# Altium PCB 56PCB -0.pcbdoc (part 1 of 2) (continued)
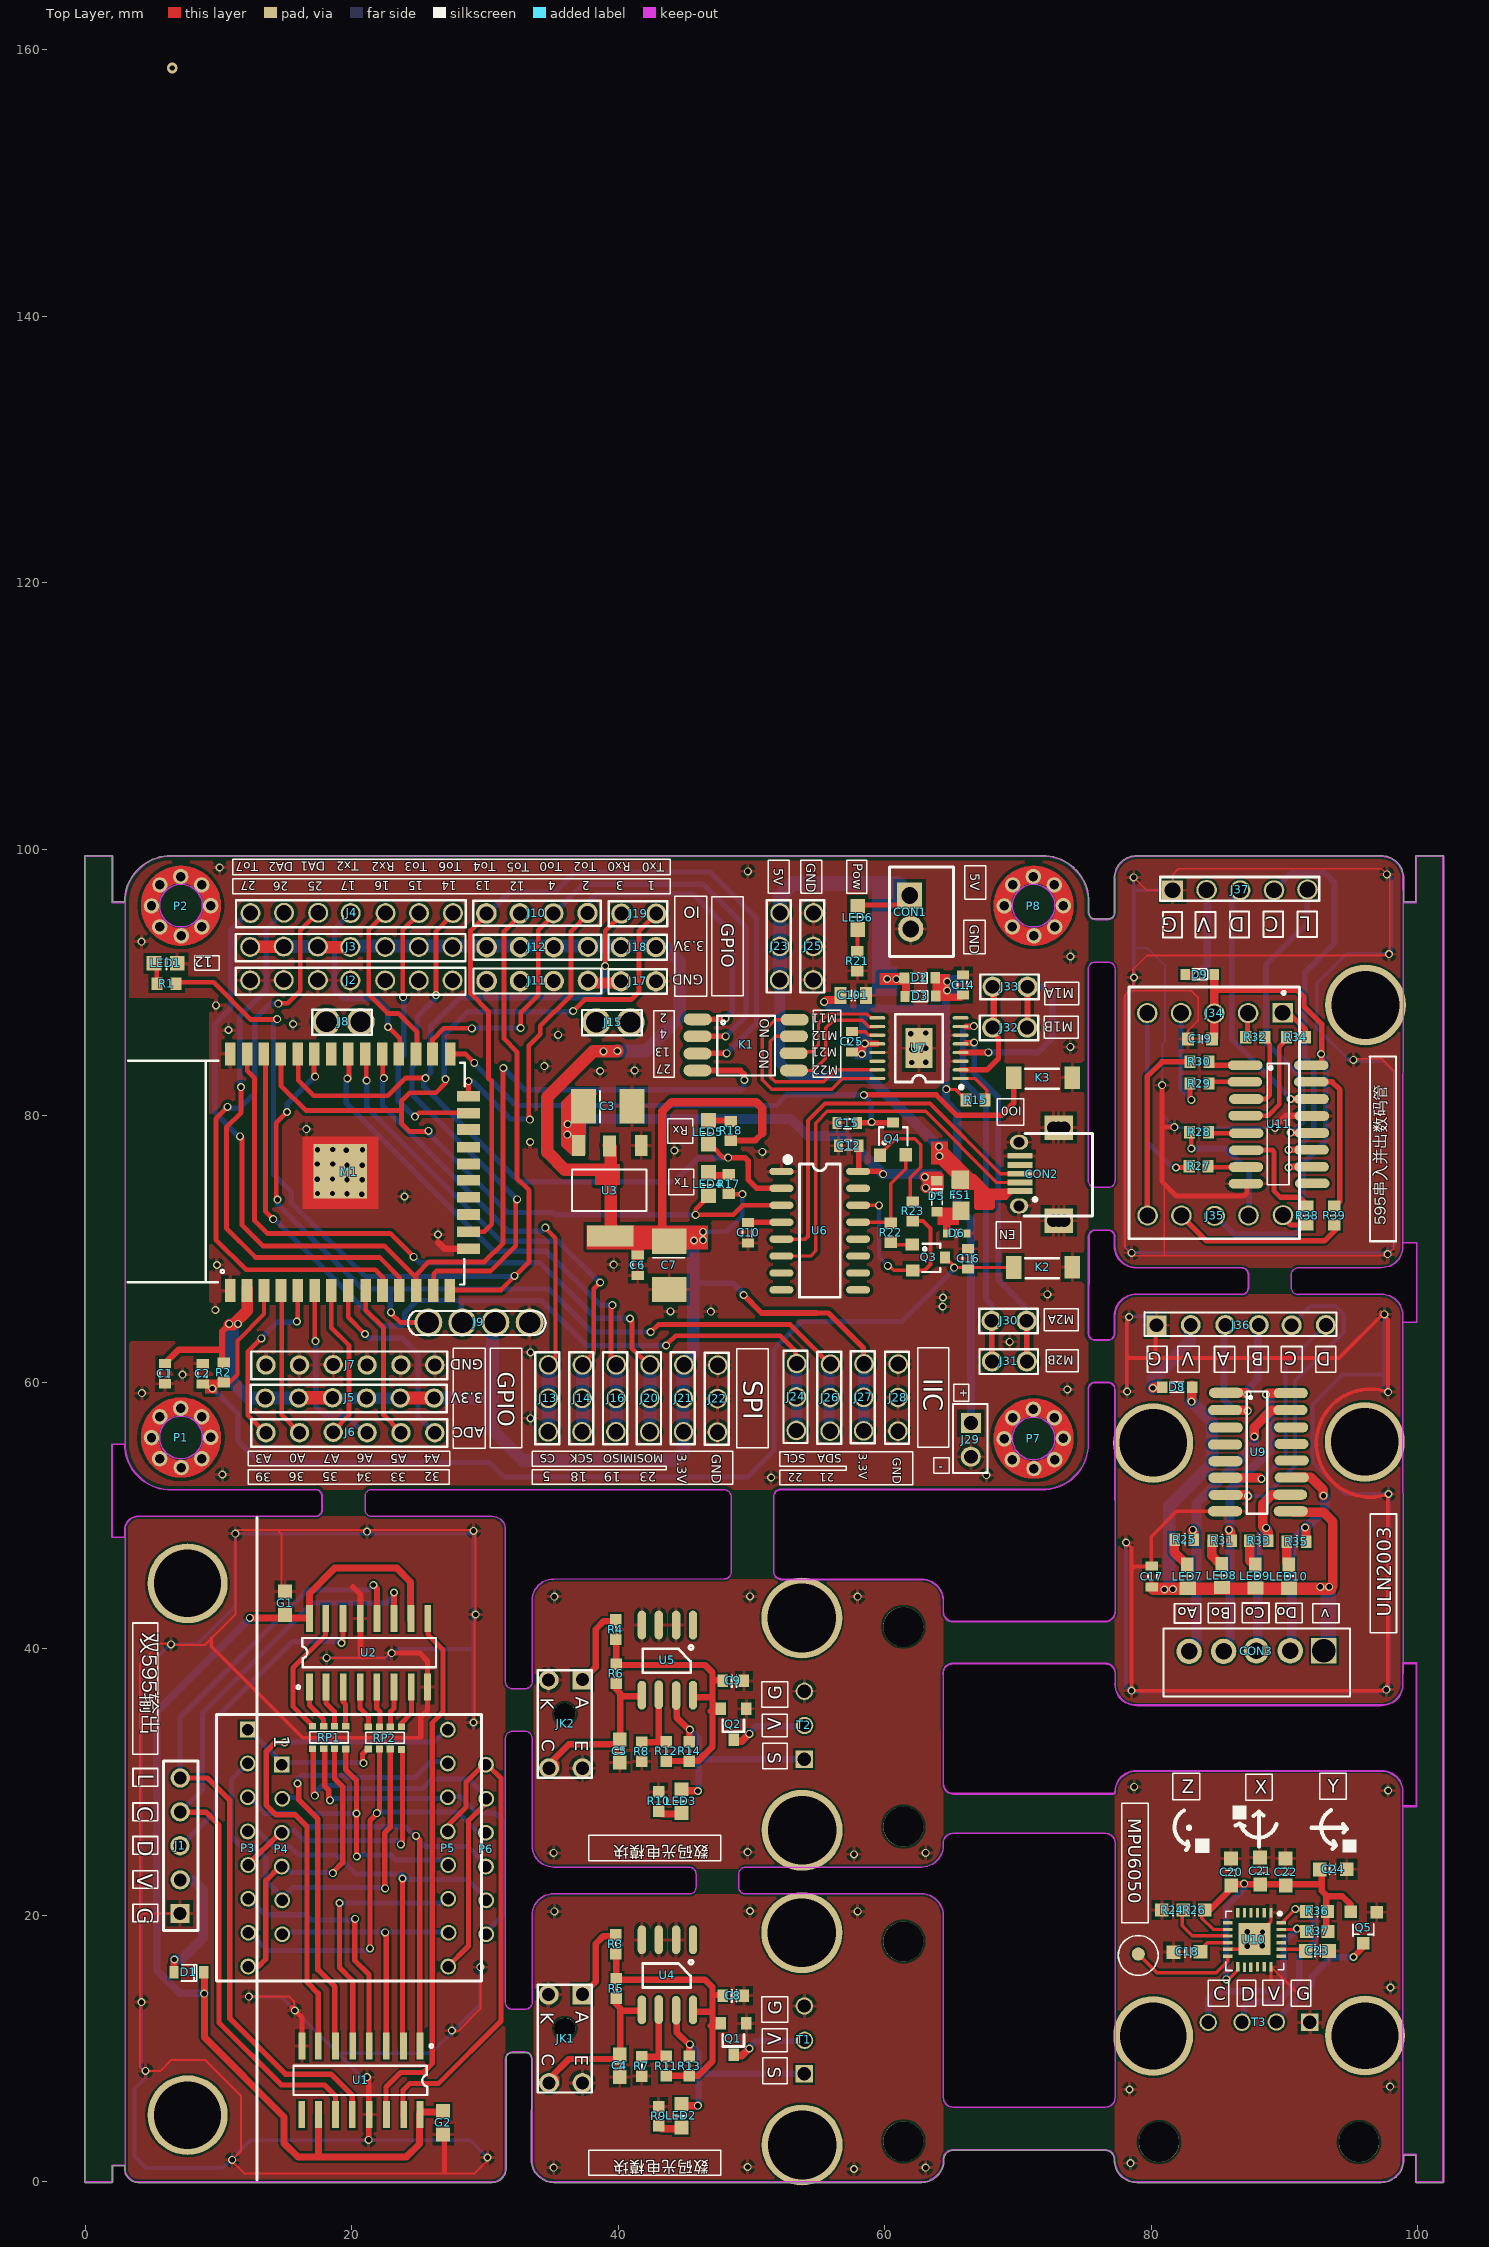
[diagram p0: Top Layer view]
## Footprints (in the part's own frame and the unit in brackets; to place one, negate y for a bottom-side part, rotate by r counter-clockwise, add the part's x,y. Pads: shape width x height; smd on the part's side, far side on the other; paste and mask are expansions set on the pad)
21#1 [mm]
  rect 1.3x1.3 hole 1: 1(0,0)
  round 1.3 hole 1: 2(0.031,2.519) 3(0.01,5.09)
21#2 [mm]
  rect 1.3x1.3 hole 1: 1(0,0)
  round 1.3 hole 1: 2(0.031,2.519) 3(0.01,5.09) 4(0,7.63)
"C 0805_L" [mil] "无极性贴片电容"
  rect 35x50 smd: 1(-37.4,0) 2(37.4,0)
  silkscreen extent -10,-15 10,15, body extent -39,-24 39,24, height 20
COMPONENT_1#1 [mil]
  rect 56.84x56.84 hole 38: 1(-0.5,-200)
  round 56.84 hole 38: 2(0.5,-101) 3(-0.5,0) 4(0.5,100) 5(0.5,200)
  silkscreen extent -50,-250 54,250
COMPONENT_1#2 [mil]
  round 57.11 hole 39: 1(-0.5,-249.5) 2(-0.5,-149.5) 3(-0.5,-49.5) 4(0.5,50.5) 5(-0.5,150.5) 6(-0.5,249.5)
  silkscreen extent -43,-286 40,292
COMPONENT_1#3 [mil]
  rect 59x59 hole 41: 1(-250,-0.5)
  round 59 hole 41: 2(-149,0.5) 3(-47,0.5) 4(52,0.5) 5(149,-0.5) 6(250,0.5)
  silkscreen extent -286,-32 282,38
COMPONENT_1#4 [mil]
  rect 60.84x58.84 hole 47: 1(-199.5,-1)
  oval 60.84x58.84 hole 47: 2(-98.5,0) 3(0.5,-1) 4(100.5,-1) 5(199.5,1)
  silkscreen extent -236,-32 234,38
COMPONENT_1#5 [mil]
  rect 58.84x58.84 hole 39: 1(131,-50)
  round 58.84 hole 39: 2(130,50) 3(-131,49) 4(-131,-50)
  round 63 hole 63: 5(30,2)
  silkscreen extent -159,-77 159,82
COMPONENT_2#1 [mil]
  rect 31x34 smd: 1(-44,0) 2(44,0)
  silkscreen extent -22,-15 18,15
COMPONENT_2#2 [mil]
  round 82.11 hole 63: 1(0,149.5) 2(0,49.5) 3(0,-48.5) 4(0,-149.5)
  silkscreen extent -37,-197 34,210
COMPONENT_2#3 [mil]
  rect 60.84x58.84 hole 47: 1(200,1)
  oval 60.84x58.84 hole 47: 2(98,0) 3(-2,-1) 4(-100,0) 5(-200,0)
COMPONENT_2#4 [mil]
  oval 60.84x58.84 hole 47: 1(200,1) 2(98,0) 3(-2,-1) 4(-100,0) 5(-200,0)
COMPONENT_2#5 [mil]
  rect 41x41 smd: 1(35,0) 2(-35,0)
  silkscreen extent -1,-13 -1,16
COMPONENT_2#6 [mil]
  rect 46.84x46.84 hole 34: 1(-1,350)
  round 46.84 hole 34: 2(-1,250) 3(-1,150) 4(-1,49) 5(0,-50) 6(0,-150) 7(1,-250) 8(0,-350)
COMPONENT_2#7 [mil]
  round 46.84 hole 34: 1(-1,350) 2(-1,250) 3(-1,150) 4(-1,49) 5(0,-50) 6(0,-150) 7(1,-250) 8(0,-350)
COMPONENT_2#8 [mil]
  rect 9.84x27.84 smd: 1(-49,-80.5) 2(-29,-80.5) 3(-9,-80.5) 4(10,-80.5) 5(29,-80.5) 6(49,-80.5) 13(49,79.5) 14(29,80.5) 15(11,80.5) 16(-9,79.5) 17(-29,79.5) 18(-49,79.5)
  rect 27.84x9.84 smd: 7(79,-50.5) 8(79,-30.5) 9(79,-11.5) 10(79,8.5) 11(79,27.5) 12(79,48.5) 19(-79,48.5) 20(-79,27.5) 21(-79,8.5) 22(-79,-11.5) 23(-79,-30.5) 24(-79,-50.5)
  rect 94.49x94.49 smd: 25(0,-2.5)
  silkscreen extent -87,-84 85,91
COMPONENT_3#1 [mil]
  rect 28.84x32.84 smd: 1(-43,0.5) 2(43,-0.5)
  silkscreen extent -21,-14 23,16
COMPONENT_3#2 [mil]
  round 58 hole 45: 1(-99,0.5) 2(0,0.5) 3(99,-0.5)
  silkscreen extent -136,-33 136,39
COMPONENT_3#3 [mil]
  rect 46.84x46.84 hole 34: 1(-0.5,250.5)
  round 46.84 hole 34: 2(0.5,149.5) 3(-0.5,49.5) 4(-0.5,-50.5) 5(0.5,-150.5) 6(0.5,-250.5)
COMPONENT_3#4 [mil]
  round 46.84 hole 34: 1(-0.5,250.5) 2(0.5,149.5) 3(-0.5,49.5) 4(-0.5,-50.5) 5(0.5,-150.5) 6(0.5,-250.5)
COMPONENT_3#5 [mil]
  rect 36.84x36.84 smd: 1(-38.5,-45.5) 2(38.5,-46.5) 3(1.5,46.5)
  silkscreen extent -30,-11 32,25
COMPONENT_3#6 [mil]
  rect 34x34 smd: 1(-28.5,0) 2(28.5,0)
  silkscreen extent -6,-1 6,-1
COMPONENT_3#7 [mil]
  oval 101x30 smd: 1(-95.5,175) 2(-98.5,124) 3(-96.5,72) 4(-98.5,22) 5(-97.5,-27) 6(-97.5,-76) 7(-96.5,-127) 8(-98.5,-175) 9(95.5,-175) 10(93.5,-126) 11(98.5,-75) 12(98.5,-25) 13(97.5,24) 14(96.5,73) 15(94.5,124) 16(95.5,174)
  silkscreen extent -34,-182 26,179
COMPONENT_4#1 [mil]
  rect 41x41 smd: 1(33.5,0) 2(-33.5,0)
  silkscreen extent -6,-13 7,12
COMPONENT_4#2 [mil]
  rect 34.84x38.84 smd: 1(-35.5,0) 2(35.5,0)
  silkscreen extent -4,-14 6,12
COMPONENT_4#3 [mil]
  rect 40.84x40.84 smd: 4(-34.5,0) 5(34.5,0)
  silkscreen extent -9,-18 7,17
COMPONENT_4#4 [mil]
  round 59 hole 45: 1(-0.5,299) 2(0.5,200) 3(0.5,99) 4(-0.5,3) 5(-0.5,-100) 6(-0.5,-199) 7(-0.5,-299)
  silkscreen extent -43,-337 38,342
COMPONENT_4#5 [mil]
  rect 31x37 smd: 1(-28.5,0) 2(28.5,0)
  silkscreen extent 2,-14 2,17
COMPONENT_4#6 [mil]
  rect 19.84x79.84 smd: 1(-175,-101.5) 2(-126,-101.5) 3(-75,-101.5) 4(-25,-101.5) 5(24,-101.5) 6(75,-101.5) 7(126,-101.5) 8(174,-101.5) 9(175,101.5) 10(125,101.5) 11(75,101.5) 12(25,101.5) 13(-25,101.5) 14(-76,101.5) 15(-127,101.5) 16(-175,101.5)
  silkscreen extent -213,-107 199,44
COMPONENT_5#1 [mil]
  rect 37x31 smd: 1(0,31) 2(0,-31)
  silkscreen extent -18,-9 16,5
COMPONENT_5#2 [mil]
  rect 36x27 smd: 1(0,31) 2(0,-31)
  silkscreen extent -12,-6 15,8
COMPONENT_5#3 [mil]
  rect 40.84x40.84 smd: 6(-0.5,40) 7(0.5,-40)
  silkscreen extent -15,-11 14,6
COMPONENT_5#4 [mil]
  rect 41.84x41.84 smd: 1(0,34.5) 2(0,-34.5)
COMPONENT_5#5 [mil]
  round 83 hole 61: 1(0,50.5) 2(0,-50.5)
  silkscreen extent -38,-84 36,92
COMPONENT_5#6 [mil]
  rect 32.84x36.84 smd: 3(-28,0) 4(28,0)
  silkscreen extent -1,-13 -1,13
COMPONENT_6#1 [mil]
  rect 26.84x36.84 smd: 1(-44,0.5) 2(44,-0.5)
  silkscreen extent -22,-26 23,22
COMPONENT_6#2 [mil]
  round 61 hole 41: 1(-0.25,149.25) 2(-0.25,50.25)
  round 60 hole 41: 3(-0.25,-48.75) 4(0.75,-149.75)
  silkscreen extent -37,-189 37,188
COMPONENT_6#3 [mil]
  rect 37x43 smd: 1(-1,33.5)
  rect 48x39 smd: 2(0,-35.5)
  silkscreen extent -15,0 13,0
COMPONENT_6#4 [mil]
  rect 37x31 smd: 1(46,-38) 2(46,38) 3(-46,-1)
  silkscreen extent -22,-31 13,32
COMPONENT_6#5 [mil]
  rect 38.84x38.84 smd: 8(-31.5,0) 9(31.5,0)
  silkscreen extent -2,-14 -1,16
COMPONENT_6#6 [mil]
  oval 101.84x28.84 smd: 1(-98.5,175) 2(-99.5,126) 3(-95.5,75) 4(-97.5,26) 5(-95.5,-26) 6(-95.5,-76) 7(-96.5,-126) 8(-96.5,-175) 9(99.5,-174) 10(97.5,-125) 11(97.5,-75) 12(98.5,-25) 13(98.5,25) 14(97.5,75) 15(96.5,126) 16(96.5,175)
  silkscreen extent -34,-178 30,180
COMPONENT_7#1 [mil]
  rect 75x75 hole 70: 1(199,1)
  round 75 hole 49: 2(100,1) 3(0,1) 4(-97,-1) 5(-199,-1)
  silkscreen extent -275,-134 277,66
COMPONENT_7#2 [mil]
  round 60 hole 41: 1(0,51.5) 2(0,-51.5)
  silkscreen extent -37,-84 36,88
COMPONENT_7#3 [mil]
  rect 21.84x19.84 smd: 1(-49,33.5) 2(-49,-32.5) 3(-16,33.5) 4(-16,-32.5) 5(16,33.5) 6(16,-32.5) 7(49,33.5) 8(49,-33.5)
  silkscreen extent -57,-16 57,18
COMPONENT_7#4 [mil]
  oval 85x25 smd: 1(104,-75.5) 2(104,-25.5) 3(104,25.5) 4(104,75.5) 5(-103,75.5) 6(-102,25.5) 7(-104,-25.5) 8(-103,-75.5)
  silkscreen extent -37,-76 44,72
COMPONENT_8 [mil]
  rect 59x59 hole 41: 1(49.5,0)
  round 59 hole 41: 2(-49.5,0)
  silkscreen extent -98,-49 106,52
COMPONENT_9 [mil]
  rect 68x31.5 smd: 1(-349,361.13) 2(-349,311.13) 3(-349,261.13) 4(-349,211.13) 5(-349,161.13) 6(-349,111.13) 7(-349,62.13) 8(-349,12.13) 9(-349,-39.87) 10(-349,-88.87) 11(-349,-138.87) 12(-349,-188.87) 13(-349,-238.87) 14(-349,-287.87) 25(349,-288.87) 26(349,-236.87) 27(349,-187.87) 28(349,-136.87) 29(349,-87.87) 30(349,-37.87) 31(349,12.13) 32(349,62.13) 33(349,113.13) 34(349,161.13) 35(349,212.13) 36(349,262.13) 37(349,310.13) 38(349,361.13)
  rect 31.5x68 smd: 15(-226,-342.87) 16(-176,-342.87) 17(-125,-342.87) 18(-74,-342.87) 19(-24,-342.87) 20(24,-342.87) 21(74,-342.87) 22(126,-342.87) 23(174,-342.87) 24(224,-342.87)
  rect 161x159 smd: 39(3,36.13)
  silkscreen extent -332,-332 329,664
COMPONENT_10 [mil]
  rect 37x33 smd: 1(0,28) 2(0,-28)
COMPONENT_11 [mil]
  rect 43x44 smd: 1(0,34.5) 2(0,-34.5)
  silkscreen extent -18,-3 16,-3
COMPONENT_13 [mil]
  rect 27x36 smd: 1(30,0) 2(-30,0)
  silkscreen extent -11,-12 10,16
COMPONENT_14 [mil]
  rect 62x38 smd: 1(133.75,-92.5) 2(131.75,1.5) 3(133.75,92.5)
  rect 63x138 smd: 4(-133.25,-0.5)
  silkscreen extent -59,-108 63,112
COMPONENT_17 [mil]
  rect 74.84x101 smd: 1(71.25,0)
  rect 73.84x101 smd: 2(-71.75,0)
  silkscreen extent 22,-45 22,48
COMPONENT_18 [mil]
  oval 34.84x83 smd: 1(75.5,142.5) 2(25.5,143.5) 3(-25.5,143.5) 4(-75.5,143.5) 5(-75.5,-141.5) 6(-24.5,-140.5) 7(25.5,-141.5) 8(74.5,-143.5)
  silkscreen extent -91,-86 87,86
COMPONENT_19 [mil]
  rect 66.84x46 smd: 1(-0.5,86.5) 2(0.5,-86.5)
  silkscreen extent -32,-48 27,52
COMPONENT_20 [mil]
  rect 35.84x40 smd: 1(38,46) 2(-38,45)
  rect 35.84x30 smd: 3(0,-51)
  silkscreen extent -43,-37 41,17
COMPONENT_21 [mil]
  rect 27.84x33 smd: 1(-45.5,-0.5) 2(45.5,0.5)
  silkscreen extent -26,-16 22,16
COMPONENT_22 [mil]
  rect 23.84x24 smd: 1(-29,0) 2(29,0)
  silkscreen extent -9,-9 10,11
COMPONENT_23 [mil]
  rect 54.84x51 smd: 3(46,1) 4(-46,-1)
  silkscreen extent -8,-19 5,21
COMPONENT_24 [mil]
  rect 77.84x74 hole 50: 1(49,1.5)
  oval 77.84x74 hole 50: 2(-49,-1.5)
  silkscreen extent -131,-128 134,62
COMPONENT_25 [mil]
  rect 16.84x74 smd: 1(-49.5,60.25) 2(-24.5,60.25) 3(1.5,60.25) 4(27.5,60.25) 5(54.5,60.25)
  oval 43.84x54 hole 32: 6(-93.5,62.25) 7(94.5,62.25)
  rect 72.84x53 hole 36: 8(137.5,-38.75) 9(137.5,-70.75) 10(137.5,-53.75) 11(-137.5,-38.75) 12(-137.5,-70.75) 13(-137.5,-54.75)
  silkscreen extent -124,-155 121,47
COMPONENT_26 [mil]
  round 45.84 hole 28: 1(-61.5,63.5) 2(0.5,87.5) 3(62.5,62.5) 4(87.5,1.5) 5(62.5,-60.5) 6(1.5,-87.5) 7(-61.5,-61.5) 8(-87.5,-0.5)
  Top Layer circle w51.94: c1.08,0.5 r92.42
  Bottom Layer circle w51.94: c1.08,0.5 r92.42
  Keep-Out Layer circle w3.94: c1.37,0.5 r63.13
SOP16_N [mm] "10.3*6.2*1.8mm（长宽高）"
  oval 1.8x0.55 smd: 1(-2.877,4.445) 2(-2.877,3.175) 3(-2.877,1.905) 4(-2.877,0.635) 5(-2.877,-0.635) 6(-2.877,-1.905) 7(-2.877,-3.175) 8(-2.877,-4.445) 9(2.877,-4.445) 10(2.877,-3.175) 11(2.877,-1.905) 12(2.877,-0.635) 13(2.877,0.635) 14(2.877,1.905) 15(2.877,3.175) 16(2.877,4.445)
  silkscreen extent -2.57,-5 1.52,5.49, body extent -3,-5 3,5, height 1.9
TSSOP16_L [mm] "5*6.4*1mm（长宽高）"
  rect 2x3 smd: 0(0,0)
  rect 1.2x0.25 smd: 1(-3.125,2.275)
  oval 1.2x0.25 smd: 2(-3.125,1.625) 3(-3.125,0.975) 4(-3.125,0.325) 5(-3.125,-0.325) 6(-3.125,-0.975) 7(-3.125,-1.625) 8(-3.125,-2.275) 9(3.125,-2.275) 10(3.125,-1.625) 11(3.125,-0.975) 12(3.125,-0.325) 13(3.125,0.325) 14(3.125,0.975) 15(3.125,1.625) 16(3.125,2.275)
  silkscreen extent -3.3,-2.54 1.78,3.05, body extent -3.2,-2.5 3.2,2.5, height 1.03

## Free pads (board coordinates)
  round 6.071 hole 5.156: 1(53.768,18.694) 1(53.768,42.31) 2(53.793,2.769) 2(53.793,26.384)
  round 6.067 hole 5.105: 1(96.072,88.309)
  round 5.994 hole 5.055: 6(80.133,55.448) 7(96.008,55.524)
  oval 6.016x5.965 hole 5.055: 9(7.674,44.907) 10(7.674,5.004)
  round 0.987 smd: 10(79.016,17.094)
  round 5.99 hole 5.004: 11(96.034,10.973) 12(80.133,10.947)
  round 3 hole 3 mask+0.102: 13(61.385,3.035) 13(61.385,26.651) 13(95.575,2.975) 14(61.385,18.035) 14(61.385,41.651) 14(80.575,2.975)

## Via types
v1: diameter 0.6, hole 0.4, Top Layer to Bottom Layer, tented both sides, 257 vias
v2: diameter 0.8, hole 0.4, Top Layer to Bottom Layer, 1 vias

## Nets (pads, with @x,y where several pads share a name; then routed paths per layer and width w, separated by ;. In a path a pad name is that pad's centre, name@x,y a point inside that pad or via, vN(x,y) a via of type N, cw(c..) or ccw(c..) an arc to the next point about the centre after c; other vN are vias at no path point)
3.3V: C1.1 C6.1 C7.1 J3.1 J3.2 J3.3 J3.4 J3.5 J3.6 J3.7 J5.1 J5.2 J5.3 J5.4 J5.5 J5.6 J9.3 J12.1 J12.2 J12.3 J12.4 J18.1 J18.2 J21.1 J21.2 J21.3 J27.1 J27.2 J27.3 M1.2 R2.2 R17.1 R18.1 U3.2 U3.4 | length 193
  Top Layer w0.345: R17.1@48.332,74.117 v1(49.301,74.117)
  Top Layer w0.405: 54.864,65.195 55.762,65.195 58.397,62.56 58.397,61.36 J27.3@58.448,61.309
  Top Layer w0.43: v1(49.406,66.541) 50.752,65.195 54.864,65.195
  Top Layer w0.456: R18.1@48.441,78.149 R18.1@48.593,78.149 ; R18.1@48.593,78.073 R18.1@48.593,78.149 ; 50.8,78.667 50.282,78.149 R18.1@48.593,78.149
  Top Layer w0.481: C1.1@5.972,61.411 7.013,62.452 10.214,62.452 ; R2.2@10.29,61.512 10.29,63.824 v1@10.798,64.332
  Top Layer w0.633: C7.1@43.818,70.586 43.307,71.097 43.307,80.34 43.993,81.026 50.352,81.026 50.8,80.578 50.8,78.667
  Top Layer w0.71: v1@46.256,71.317 v1@46.307,71.317 ; v1(46.358,71.291) v1@46.384,71.317 ; R17.1@48.288,74.161 R17.1@48.332,74.117
  Top Layer w0.862: v1@10.798,64.332 11.103,64.332 12.144,65.373 M1.2@12.144,67.024
  Top Layer w0.938: J3.1@12.347,92.678 J3.2@15.09,92.678 ; J3.3@17.605,92.653 J3.4@19.993,92.653 ; v1(38.887,84.836) 38.11,84.836 34.674,81.4 34.674,77.26 35.995,75.939 39.424,75.939 ; v1(38.887,84.836) 39.903,84.836 v1(39.929,84.861) ; U3.2@39.271,77.768 39.424,77.616 39.424,75.939 ; U3.4@39.424,71.164 39.424,75.939 ; 39.5,75.939 39.424,75.939
  Top Layer w0.989: J5.5@16.043,58.832 J5.4@18.557,58.832 ; J5.2@23.637,58.807 J5.1@26.177,58.807
  Bottom Layer w0.345: v1(46.358,71.291) 48.126,71.291 49.301,72.466 v1(49.301,74.117)
  Bottom Layer w0.43: 45.85,67.43 48.618,67.43 49.406,66.643 v1(49.406,66.541) v1@49.406,66.465
  Bottom Layer w0.837: J27.1@58.41,56.356 J27.2@58.41,58.871 J27.3@58.41,61.525
  Bottom Layer w0.862: J5.4@18.583,58.807 J5.3@21.097,58.807 J5.2@23.637,58.807
  Bottom Layer w0.964: v1@11.179,64.332 10.925,64.332 11.052,64.205 11.052,60.014 12.246,58.82 J5.5@16.132,58.82 ; J3.2@14.786,92.703 J3.3@17.453,92.703 ; J3.4@19.993,92.729 43.462,92.729 44.58,91.611 44.58,87.379 42.062,84.861 v1(39.929,84.861) 39.903,84.836 v1(38.887,84.836) ; J5.1@26.177,58.807 30.521,58.807 ; J9.3@30.775,64.484 30.559,64.268 30.559,56.407 32.845,54.121 44.326,54.121 44.859,54.654 44.859,61.385 45.621,62.147 45.621,70.478 v1@46.282,71.139
  other v1: 10.798,64.382 11.458,64.382 45.672,70.631 46.358,70.656
+5v: C3.1 C12.1 D5.2 U3.3 U6.16 | length 43.5
  Top Layer w0.202: U3.3@37.087,77.26 36.35,77.26 35.791,77.819 35.791,80.969 36.604,81.781 38.154,81.781 C3.1@38.281,81.654
  Top Layer w0.405: C12.1@58.039,77.749 58.039,75.863 U6.16@57.995,75.819 59.612,75.819 59.815,75.616 v1(59.868,75.616)
  Top Layer w0.786: v1(62.995,75.406) 64.036,75.406 64.036,74.593 v1(63.071,74.593) ; 63.198,74.974 63.681,74.974 D5.2@63.757,74.898
  Bottom Layer w0.76: 36.909,79.749 52.962,79.749 54.232,78.479 57.004,78.479 v1(59.868,75.616) 62.785,75.616 v1(62.995,75.406) ; v1@62.995,75.635 63.706,75.635
  other v1: 36.172,78.581 36.198,79.368
AOUT1: J32.1 J33.1 U7.2 | length 8.9
  Top Layer w0.405: U7.2@65.685,83.44 67.666,83.44 68.529,84.303 68.529,85.837 68.062,86.305 J32.1@68.062,86.607
  Top Layer w0.481: J32.1@68.075,86.531 68.176,86.633 68.176,89.592 J33.1@68.087,89.681
AOUT2: J32.2 J33.2 U7.4 | length 15.9
  Top Layer w0.43: U7.4@65.685,84.74 65.695,84.75 67.757,84.75 v1(67.767,84.76) ; J32.2@70.678,86.798 70.704,86.823 J33.2@70.704,89.681
  Bottom Layer w0.481: v1(67.767,84.76) 71.501,84.76 72.568,85.827 72.568,89.329 72.216,89.681 J33.2@70.704,89.681 ; J33.2@70.615,89.554 J33.2@70.615,89.681
BOUT1: J30.1 J31.1 U7.7 | length 30.4
  Top Layer w0.43: U7.7@66.07,86.703 66.662,86.703 v1(66.675,86.716) ; J30.1@68.011,64.611 68.024,64.598 68.024,61.576 J31.1@68.037,61.563
  Bottom Layer w0.43: v1(66.675,86.716) 66.643,86.683 66.082,86.683 65.862,86.464 65.862,82.626 67.589,80.899 67.589,66.243 68.011,65.821 J30.1@68.011,64.611 68.024,64.598 68.024,61.576 J31.1@68.037,61.563
BOUT2: J30.2 J31.2 U7.5 | length 29.3
  Top Layer w0.43: U7.5@66.07,85.464 66.668,85.464 v1(66.7,85.496) ; J30.2@70.627,64.611 70.64,64.598 70.64,61.576 J31.2@70.653,61.563
  Bottom Layer w0.43: v1(66.7,85.496) 66.7,83.185 68.504,81.382 68.504,67.691 70.541,65.654 70.541,64.698 70.64,64.598 70.64,61.576 J31.2@70.653,61.563
D+: CON2.3 U6.5 | length 29.4
  Top Layer w0.278: U6.5@52.241,70.739 54.026,70.739 54.229,70.942 54.229,79.632 55.514,80.917 63.38,80.917 68.65,75.647 CON2.3@70.126,75.647
D-: CON2.2 U6.6 | length 30.2
  Top Layer w0.254: U6.6@52.241,69.469 54.432,69.469 54.813,69.85 54.813,79.451 55.69,80.328 63.055,80.328 68.396,74.987 CON2.2@70.126,74.987
DTR: Q4.2 R22.2 U6.13 | length 8
  Top Layer w0.252: U6.13@57.995,72.009 R22.2@60.376,72.009 ; R22.2@60.452,71.933 60.452,74.905 61.57,76.022 Q4.2@61.57,77.064
GND: C1.2 C2.1 C3.2 C6.2 C7.2 C10.2 C12.2 C14.1 C15.1 C16.1 C101.1 CON1.2 CON2.5 CON2.6 CON2.7 CON2.8 CON2.9 CON2.10 CON2.11 CON2.12 CON2.13 D6.2 J2.1 J2.2 J2.3 J2.4 J2.5 J2.6 J2.7 J7.1 J7.2 J7.3 J7.4 J7.5 J7.6 J9.4 J11.1 J11.2 J11.3 J11.4 J17.1 J17.2 J22.1 J22.2 J22.3 J25.1 J25.2 J25.3 J28.1 J28.2 J28.3 J29.2 K2.2 K3.2 LED1.2 M1.1 M1.15 M1.38 M1.39 R21.1 U3.1 U6.1 U7.0 U7.3 U7.6 U7.13 | length 5.1
  Top Layer w0.481: 26.47,70.504 26.952,70.021 M1.15@28.883,70.021
  Top Layer w0.837: J11.4@37.773,89.96 J17.1@40.211,89.96
  other v1: 51.463,52.851 67.618,53.029 10.29,53.079 33.404,57.296 4.245,59.175 73.688,59.455 7.293,60.572 33.404,62.249 69.37,63.036 46.942,65.297 43.919,65.322 9.756,65.424 64.341,65.678 64.366,66.364 72.19,66.592 9.883,68.802 39.652,68.827 26.47,71.088 23.955,73.933 20.755,74.111 19.637,74.136 17.427,74.161 18.545,74.161 19.637,75.203 20.78,75.203 17.402,75.228 18.545,75.254 19.637,76.295 20.78,76.295 17.402,76.371 18.57,76.371 50.8,77.292 44.199,77.387 19.586,77.413 17.427,77.438 20.805,77.438 18.57,77.463 33.378,78.022 16.589,78.987 38.636,83.356 41.224,83.388 34.445,83.712 62.027,83.998 63.068,84.023 62.001,84.988 63.068,85.065 73.914,85.166 35.487,86.074 61.951,86.157 63.068,86.208 10.747,86.43 15.598,86.887 9.807,88.284 73.917,91.941 4.219,93.059 49.711,98.342 10.087,98.622
M11: K1.8 U7.16 | length 15.6
  Top Layer w0.254: K1.8@53.229,87.204 51.771,87.204 50.8,86.233 50.8,82.702 51.511,81.991 56.007,81.991 56.805,82.79 U7.16@59.435,82.79
M12: K1.7 U7.15 | length 13.1
  Top Layer w0.254: K1.7@53.178,85.96 51.797,85.96 51.41,85.573 51.41,82.906 51.765,82.55 55.423,82.55 56.312,83.44 U7.15@59.435,83.44
M21: K1.6 U7.9 | length 8.6
  Top Layer w0.254: K1.6@53.152,84.69 53.273,84.81 54.508,84.81 55.016,85.319 55.016,86.919 55.728,87.63 58.674,87.63 58.964,87.34 U7.9@59.435,87.34
M22: K1.5 U7.10 | length 9.3
  Top Layer w0.254: K1.5@53.178,83.394 54.641,83.394 55.575,84.328 55.575,86.589 56.159,87.173 58.293,87.173 58.776,86.69 U7.10@59.435,86.69
Net: 
NewNet1: P8.1 P8.2 P8.3 P8.4 P8.5 P8.6 P8.7 P8.8
NewNet2: P7.1 P7.2 P7.3 P7.4 P7.5 P7.6 P7.7 P7.8
NewNet3: P2.1 P2.2 P2.3 P2.4 P2.5 P2.6 P2.7 P2.8
NewNet4: P1.1 P1.2 P1.3 P1.4 P1.5 P1.6 P1.7 P1.8
NewNet15: J10.4 K1.1 M1.24 | length 45.8
  Top Layer w0.354: M1.24@28.752,81.451 v1@28.752,82.591 ; v1(33.353,79.699) 33.277,79.775 33.277,85.261 34.14,86.125 34.14,86.734 36.452,89.046 36.452,93.846 J10.4@37.722,95.116
  Top Layer w0.405: K1.1@45.964,87.23 47.908,87.23 47.979,87.3 v1(48.031,87.3)
  Bottom Layer w0.405: v1(28.756,82.594) 29.06,82.594 31.905,79.749 33.302,79.749 v1(33.353,79.699) ; J10.4@37.849,95.345 37.849,96.132 38.357,96.64 45.596,96.64 48.539,93.697 48.539,87.808 v1(48.031,87.3)
NewNet16: J10.3 K1.2 M1.26 | length 45.4
  Top Layer w0.354: M1.26@26.06,84.626 26.06,85.715 26.901,86.557 v1(29.01,86.557) ; v1(32.667,86.582) 32.667,87.725 33.988,89.046 33.988,93.923 35.258,95.193 J10.3@35.258,95.269
  Top Layer w0.405: K1.2@45.939,85.96 45.942,85.957 48.054,85.957 v1(48.057,85.954)
  Bottom Layer w0.405: v1@29.035,86.582 v1(32.667,86.582) ; J10.3@35.131,95.345 35.36,95.345 37.392,97.377 46.358,97.377 49.581,94.154 49.581,87.478 v1(48.057,85.954)
NewNet17: J10.2 M1.14 R1.2 | length 76.5
  Top Layer w0.354: R1.2@6.734,89.96 6.785,90.011 9.629,90.011 12.423,87.217 v1@14.532,87.217 ; M1.14@27.435,66.922 31.194,66.922 33.302,69.031 33.302,74.39 32.388,75.304 32.388,84.804 31.423,85.769 31.423,93.846 J10.2@32.743,95.167
  Bottom Layer w0.405: v1(14.405,87.242) 14.125,86.963 14.125,75.635 15.446,74.314 15.446,73.501 21.009,67.938 v1@32.108,67.938
  other v1: 32.21,67.989
NewNet18: J10.1 K1.3 M1.16 | length 62.6
  Top Layer w0.354: M1.16@28.752,71.291 29.949,71.291 30.508,71.85 30.508,82.569 30.254,82.823 30.254,87.827 28.908,89.173 28.908,93.897 J10.1@30.095,95.085
  Top Layer w0.405: K1.3@45.939,84.664 45.948,84.674 48.123,84.674 v1(48.133,84.684)
  Bottom Layer w0.405: 31.829,96.767 35.233,96.767 36.757,98.291 46.866,98.291 50.368,94.789 50.368,86.919 v1(48.133,84.684)
  Bottom Layer w0.43: J10.1@30.095,95.186 30.248,95.186 31.829,96.767
NewNet19: J4.7 M1.13 | length 37.6
  Top Layer w0.354: M1.13@26.139,67.075 26.139,68.142 26.343,68.345 30.407,68.345 32.312,70.25 32.312,73.628 v1(32.413,73.73) ; v1(26.317,89.046) 26.317,93.846 J4.7@27.587,95.116
  Bottom Layer w0.405: v1(26.317,89.046) 26.317,88.843 24.895,87.42 24.895,84.042 24.514,83.661 24.514,81.604 v1@32.388,73.73
NewNet20: J4.6 M1.23 | length 20.6
  Top Layer w0.354: v1(23.853,88.893) 23.828,88.919 23.828,93.948 24.971,95.091 J4.6@25.073,95.091 ; v1(24.742,79.927) 25.047,80.232 M1.23@28.679,80.232
  Bottom Layer w0.405: v1(23.853,88.893) 23.904,88.843 23.904,84.55 23.498,84.144 23.498,81.096 24.666,79.927 v1(24.742,79.927)
NewNet21: J4.5 M1.27 | length 13.1
  Top Layer w0.354: J4.5@22.507,95.193 21.263,93.948 21.263,89.097 22.685,87.674 23.472,87.674 24.895,86.252 24.895,84.706 M1.27@24.815,84.626
NewNet22: J4.4 M1.28 | length 14.9
  Top Layer w0.354: v1@22.71,86.709 23.599,85.82 23.599,84.677 M1.28@23.422,84.499
  Bottom Layer w0.405: J4.4@19.993,95.294 18.697,93.999 18.697,89.452 19.383,88.766 21.847,88.766 22.71,87.903 v1(22.71,86.658)
NewNet23: J4.3 M1.10 | length 43.8
  Top Layer w0.354: v1@10.671,80.638 9.807,79.775 9.807,70.707 12.068,68.446 21.745,68.446 22.355,67.837 M1.10@22.355,67.049 ; v1@14.405,88.436 15.192,88.436 16.132,89.376 16.132,93.923 J4.3@17.529,95.32
  Bottom Layer w0.405: v1(10.671,80.664) 10.772,80.562 11.585,80.562 12.728,81.705 12.728,87.242 13.897,88.411 v1(14.481,88.411)
NewNet24: J4.2 M1.11 | length 41.1
  Top Layer w0.354: v1(11.687,82.137) 11.687,80.232 10.595,79.14 10.595,71.545 12.779,69.361 22.101,69.361 23.574,67.888 M1.11@23.574,66.973
  Bottom Layer w0.405: v1(11.687,82.137) 11.585,82.239 11.585,87.446 13.566,89.427 13.566,93.973 J4.2@14.913,95.32
NewNet25: J4.1 K1.4 M1.12 | length 85.4
  Top Layer w0.354: v1(11.611,78.454) 11.763,78.302 11.763,71.774 13.312,70.224 22.431,70.224 24.819,67.837 ; M1.12@24.819,66.745 24.819,68.065 25.784,69.031 29.949,69.031 31.346,70.428 v1@31.346,83.585
  Top Layer w0.456: K1.4@45.939,83.394 49.158,83.394 49.426,83.126 49.426,82.705 v1(49.454,82.677)
  Bottom Layer w0.405: v1(11.611,78.454) 11.509,78.454 9.731,80.232 9.731,86.887 10.899,88.055 10.899,93.897 J4.1@12.207,95.205 ; v1@31.372,83.559 32.991,81.94 49.179,81.94 49.416,82.178 49.416,82.64 v1(49.454,82.677)
  other v1: 31.372,83.585
NewNet26: J9.1 J26.1 J26.2 J26.3 M1.33 | length 69.6
  Top Layer w0.354: v1(14.43,73.704) 14.328,73.806 14.328,79.47 v1(15.141,80.283) ; v1@17.17,83.004 M1.33@17.17,84.626 ; v1@22.939,65.195 23.65,64.484 J9.1@25.746,64.484 ; v1(42.421,63.773) 42.446,63.773 43.005,64.332 52.886,64.332 J26.3@55.857,61.36
  Bottom Layer w0.405: v1(14.43,73.704) 14.43,73.374 20.805,66.999 34.801,66.999 38.027,63.773 42.319,63.773 v1@42.421,63.671 ; v1(15.141,80.283) 15.141,80.892 ; 15.408,81.159 15.141,80.892 ; v1@17.224,83.001 17.224,82.975 15.141,80.892 ; 22.888,66.973 22.888,65.297 v1(22.939,65.246)
  Bottom Layer w0.837: J26.1@55.807,56.305 J26.3@55.807,61.245
  other v1: 17.249,82.924
NewNet27: J9.2 J24.1 J24.2 J24.3 M1.36 | length 67.2
  Top Layer w0.354: M1.36@13.338,84.525 13.516,84.347 13.516,72.815 v1(14.1,72.231) ; v1@43.64,62.833 44.3,63.493 52.149,63.493 53.267,62.376 J24.3@53.267,61.385
  Bottom Layer w0.405: v1(14.1,72.231) 14.201,72.231 22.202,64.23 23.752,64.23 23.98,64.459 23.98,65.221 24.895,66.135 30.153,66.135 ; J9.2@28.222,64.382 28.222,65.983 ; 28.933,66.135 34.242,66.135 37.62,62.757 v1(43.589,62.757)
  Bottom Layer w0.837: J24.1@53.355,56.381 J24.3@53.355,61.385
NewNet28: J20.1 J20.2 J20.3 M1.37 | length 53.2
  Top Layer w0.354: M1.37@12.144,84.728 12.144,83.356 12.703,82.797 12.703,72.129 13.668,71.164 22.888,71.164 v1(24.641,69.412) ; v1@40.821,64.865 41.024,64.662 41.024,62.554 42.268,61.309 J20.3@42.383,61.309
  Bottom Layer w0.405: v1(24.641,69.412) 25.098,68.954 34.14,68.954 38.281,64.814 v1@40.795,64.814
  Bottom Layer w0.964: J20.1@42.383,56.305 J20.3@42.383,61.309
  other v1: 40.871,64.789
NewNet29: J16.1 J16.2 J16.3 M1.31 | length 39.5
  Top Layer w0.354: v1(19.662,82.797) 19.789,82.924 19.789,84.572 M1.31@19.735,84.626 ; v1@39.449,65.678 39.449,61.715 J16.3@39.779,61.385
  Bottom Layer w0.405: v1@19.586,82.823 19.586,80.918 30.686,69.818 34.623,69.818 38.662,65.779 v1(39.551,65.779)
  Bottom Layer w0.964: J16.1@39.843,56.305 J16.3@39.843,61.309
NewNet30: J14.1 J14.2 J14.3 M1.30 | length 38.6
  Top Layer w0.329: J14.3@37.303,61.309 J14.3@37.303,61.347
  Top Layer w0.354: M1.30@21.005,84.626 21.085,84.547 v1@21.085,82.67 ; J14.3@37.303,61.347 38.154,62.198 38.154,66.999 v1(38.636,67.481)
  Bottom Layer w0.405: v1(21.11,82.645) 21.11,80.664 31.194,70.58 35.487,70.58 v1@38.585,67.481
  Bottom Layer w0.964: J14.1@37.303,56.318 J14.3@37.303,61.309
NewNet31: J13.1 J13.2 J13.3 M1.29 | length 36
  Top Layer w0.329: v1@34.521,71.571 35.283,70.809 35.283,61.83 J13.3@34.763,61.309
  Top Layer w0.354: M1.29@22.275,84.626 22.329,84.572 22.329,82.899 v1(22.406,82.823)
  Bottom Layer w0.405: v1(22.406,82.823) 22.304,82.721 22.304,80.765 31.727,71.342 34.267,71.342 v1(34.521,71.596)
  Bottom Layer w0.964: J13.1@34.763,56.305 J13.3@34.763,61.309
NewNet32: J6.6 M1.5 | length 13.4
  Top Layer w0.354: v1(13.211,63.29) 12.195,62.274 12.195,57.524 J6.6@13.389,56.331 ; v1(15.878,64.56) 15.951,64.633 M1.5@15.951,66.897
  Bottom Layer w0.405: v1(13.211,63.29) 13.211,63.316 14.405,64.509 15.827,64.509 v1(15.878,64.56)
NewNet33: J6.5 M1.4 | length 11.6
  Top Layer w0.354: M1.4@14.735,67.227 14.735,57.55 J6.5@16.068,56.216
NewNet34: J6.4 M1.7 | length 11.5
  Top Layer w0.354: M1.7@18.465,66.897 18.465,64.106 19.789,62.782 19.789,57.524 J6.4@18.672,56.407
NewNet35: J6.3 M1.6 | length 13.3
  Top Layer w0.354: v1@17.221,63.141 M1.6@17.221,66.897
  Bottom Layer w0.405: v1@17.3,63.163 17.3,58.189 17.914,57.575 19.535,57.575 20.78,56.331 J6.3@21.059,56.331
  other v1: 17.275,63.087
NewNet36: J6.2 M1.9 | length 11.8
  Top Layer w0.354: M1.9@21.056,66.897 21.056,65.402 22.38,64.078 22.38,57.55 23.688,56.242 J6.2@23.688,56.216
NewNet37: J6.1 M1.8 | length 14.8
  Top Layer w0.354: M1.8@19.735,66.897 19.735,64.868 v1(20.983,63.62)
  Bottom Layer w0.405: v1(20.983,63.62) 21.313,63.29 23.803,63.29 24.968,62.125 24.968,57.451 26.203,56.216 J6.1@26.228,56.216
NewNet38: CON3.5 R25.2 U9.15 | length 22.9
  Top Layer w0.71: v1@83.08,48.844 83.181,48.743 R25.2@83.181,48.082 ; v1(87.728,55.931) 87.728,56.617 89.023,57.912 U9.15@90.522,57.912
  Bottom Layer w0.735: CON3.5@82.826,39.878 83.384,40.437 83.384,50.927 87.728,55.27 v1(87.728,55.931)
  other v1: 83.105,48.92
NewNet39: CON3.4 R31.2 U9.16 | length 23.5
  Top Layer w0.71: v1(85.823,48.92) 85.95,48.793 R31.2@85.95,47.955 ; v1@88.718,59.182 U9.16@90.458,59.182
  Bottom Layer w0.71: CON3.4@85.442,39.929 85.899,40.386 85.899,51.918 88.896,54.915 88.896,58.801 v1(88.617,59.08)
NewNet40: CON3.3 R33.2 U9.10 | length 15
  Top Layer w0.71: R33.2@88.782,48.108 88.782,48.755 88.363,49.174 88.363,50.876 89.049,51.562 U9.10@90.522,51.562
  Bottom Layer w0.71: CON3.3@87.982,39.751 87.982,48.26 v1@88.744,49.022
  other v1: 88.617,49.073
NewNet41: CON3.2 R35.2 U9.11 | length 16.9
  Top Layer w0.71: U9.11@90.535,52.857 91.97,52.857 92.909,51.918 v1(92.909,51.486) ; R35.2@91.601,48.031 v1@91.601,49.035
  Bottom Layer w0.71: CON3.2@90.496,39.802 90.522,39.827 90.522,48.006 93.011,50.495 v1@93.011,51.46
  other v1: 91.538,49.098
NewNet42: C17.2 CON3.1 D8.2 LED7.2 LED8.2 LED9.2 LED10.2 U9.9 | length 48.6
  Top Layer w0.71: v1@83.029,58.623 D8.2@83.029,59.766 ; U9.9@90.623,50.241 92.909,50.241 93.621,49.53 93.621,44.679 v1@93.443,44.501
  Top Layer w0.913: C17.2@80.032,44.628 80.159,44.501 v1@93.443,44.501
  Bottom Layer w0.71: v1@92.782,44.653 93.062,44.374 CON3.1@93.062,39.954 ; CON3.1@93.494,39.929 v1@93.494,44.704
  Bottom Layer w0.938: v1@81.352,44.501 81.352,50.724 84.578,53.95 84.578,56.972 v1(83.003,58.547)
  other v1: 80.971,44.45 81.606,44.475 92.681,44.653 93.341,44.653
NewNet43: J36.6 U9.6 | length 16.1
  Top Layer w0.71: U9.6@85.556,52.832 v1@88.134,52.832
  Bottom Layer w0.303: v1(88.261,52.756) 88.337,52.756 90.065,54.483 90.065,61.29 J36.6@93.036,64.262
NewNet44: J36.5 U9.7 | length 24.1
  Top Layer w0.71: U9.7@85.391,51.562 87.144,51.562 v1(87.245,51.46)
  Bottom Layer w0.303: v1(87.245,51.46) 88.515,51.46 90.776,53.721 90.776,60.096 94.433,63.754 94.433,65.1 93.824,65.71 91.944,65.71 90.471,64.237 J36.5@90.471,64.211
NewNet45: J36.4 U9.1 | length 6.9
  Top Layer w0.71: U9.1@85.607,59.207 v1@87.144,59.207
  Bottom Layer w0.532: v1(87.194,59.08) 87.194,59.411 87.982,60.198 J36.4@87.982,64.084
NewNet46: J36.3 U9.2 | length 9.4
  Top Layer w0.71: U9.2@85.531,57.912 v1@87.194,57.912
  Bottom Layer w0.532: J36.3@85.442,64.287 85.442,58.699 86.305,57.836 v1(87.22,57.836)
NewNet47: D8.1 J36.2 | length 6.6
  Top Layer w0.71: v1(80.108,59.563) 80.184,59.639 D8.1@80.819,59.639
  Bottom Layer w0.938: v1(80.108,59.563) 80.108,60.223 82.876,62.992 J36.2@82.876,64.262
NewNet48: C17.1 J36.1 U9.8 | length 183.5
  Top Layer w0.278: v1(78.101,47.981) 78.508,47.574 78.508,45.669 ; v1@78.152,59.411 78.152,64.592 v1@78.406,64.846 ; 78.152,62.027 78.355,61.824 80.667,61.824 ; C17.1@79.981,46.177 79.981,48.412 81.886,50.317 U9.8@85.531,50.317 ; C17.1@80.209,46.177 78.736,46.177 78.508,45.949 v1(78.508,36.855) 97.507,36.855 97.735,37.084 v1@97.735,51.714 ; J36.1@80.311,64.338 80.311,62.179 80.667,61.824 ; v1(97.786,51.613) cw(c96.429,55.431) v1(97.761,59.258) 97.761,64.719 97.202,65.278 97.202,64.948 94.078,61.824 80.667,61.824
  Bottom Layer w0.278: v1@78.177,59.385 78.177,64.694 78.431,64.948 80.108,64.948 J36.1@80.717,64.338
  Bottom Layer w0.303: v1(78.101,47.981) 78.101,37.135 78.431,36.805 97.431,36.805 97.837,37.211 97.837,51.689 97.761,51.613 94.51,51.613 92.097,54.026 92.097,58.344 94.332,60.579 97.481,60.579 ; v1(97.481,65.1) 97.481,59.538 v1(97.761,59.258)
  other v1: 97.634,36.932 78.177,59.309 78.33,64.897
NewNet49: C4.1 C8.2 JK1.2 JK1.4 Q1.1 R7.1 R9.2 T1.3 U4.2 U4.3 U4.4
  other v1: 57.68,0.965 35.15,1.067 63.064,1.067 49.704,1.118 35.201,20.295 57.959,20.295 49.882,20.32
NewNet50: C4.2 JK1.3 R5.1 U4.5 | length 12
  Top Layer w0.481: JK1.3@34.845,7.772 36.293,9.22 39.874,9.22 40.154,9.5 40.154,13.03 R5.1@39.722,13.462 ; JK1.3@35.353,7.29 JK1.3@35.353,7.772 ; 40.331,12.827 U4.5@41.728,12.827
NewNet51: JK1.1 R3.2 | length 6
  Top Layer w0.481: JK1.1@37.309,14.072 37.36,14.072 38.299,15.011 38.299,17.856 38.884,18.44 R3.2@39.823,18.44
NewNet52: Q1.3 T1.2 | length 5.7
  Top Layer w0.557: Q1.3@48.688,9.449 49.272,9.449 v1(49.831,10.008)
  Bottom Layer w0.481: v1@49.831,10.084 50.314,10.566 T1.2@53.922,10.566
NewNet53: LED2.1 R13.2 T1.1 U4.7 | length 18.1
  Top Layer w0.481: U4.7@44.37,13.03 44.37,11.227 45.31,10.287 R13.2@45.31,9.411
  Top Layer w0.557: LED2.1@44.853,5.715 v1(45.97,5.715)
  Bottom Layer w0.481: v1(45.361,10.312) 46.021,9.652 46.021,8.407 ; v1(45.97,5.715) 46.021,5.766 46.021,8.407 ; T1.1@53.946,8.103 46.326,8.103 46.021,8.407
NewNet54: C5.1 C9.2 JK2.2 JK2.4 Q2.1 R8.1 R10.2 T2.3 U5.2 U5.3 U5.4
  other v1: 57.68,24.581 35.15,24.682 63.064,24.682 49.704,24.733 35.201,43.91 57.959,43.91 49.882,43.935
NewNet55: C5.2 JK2.3 R6.1 U5.5 | length 12
  Top Layer w0.481: JK2.3@34.845,31.388 36.293,32.836 39.874,32.836 40.154,33.115 40.154,36.646 R6.1@39.722,37.077 ; JK2.3@35.353,30.905 JK2.3@35.353,31.388 ; 40.331,36.442 U5.5@41.728,36.442
NewNet56: JK2.1 R4.2 | length 6
  Top Layer w0.481: JK2.1@37.309,37.687 37.36,37.687 38.299,38.627 38.299,41.472 38.884,42.056 R4.2@39.823,42.056
NewNet57: Q2.3 T2.2 | length 5.7
  Top Layer w0.557: Q2.3@48.688,33.064 49.272,33.064 v1(49.831,33.623)
  Bottom Layer w0.481: v1@49.831,33.699 50.314,34.182 T2.2@53.922,34.182
NewNet58: LED3.1 R14.2 T2.1 U5.7 | length 18.1
  Top Layer w0.481: U5.7@44.37,36.646 44.37,34.842 45.31,33.902 R14.2@45.31,33.026
  Top Layer w0.557: LED3.1@44.853,29.33 v1(45.97,29.33)
  Bottom Layer w0.481: v1(45.361,33.928) 46.021,33.267 46.021,32.023 ; v1(45.97,29.33) 46.021,29.381 46.021,32.023 ; T2.1@53.946,31.718 46.326,31.718 46.021,32.023
NewNet59: Q5.3 T3.2 | length 9.7
  Top Layer w0.456: v1(95.17,16.866) 95.17,16.891 95.932,17.653 Q5.3@95.932,18.034
  Bottom Layer w0.481: T3.2@89.375,11.998 89.375,12.14 92.046,14.811 92.046,15.418 93.494,16.866 v1(95.17,16.866)